# Altium PCB 2019.06.16.master.PcbDoc (part 3 of 5)
Units mm, origin at the board's own origin, x right, y up, seen from the top; angles counter-clockwise.
Board outline 160 x 120 mm, 6 copper layers (Top Signal, Top GND, Inner PWR, Inner Signal, Bottom GND, Bottom Signal), stack 1.571 mm thick; 340 components, 345 nets, 1524 pads, 692 vias.
Unrouted connection lines stored in the file: 216.
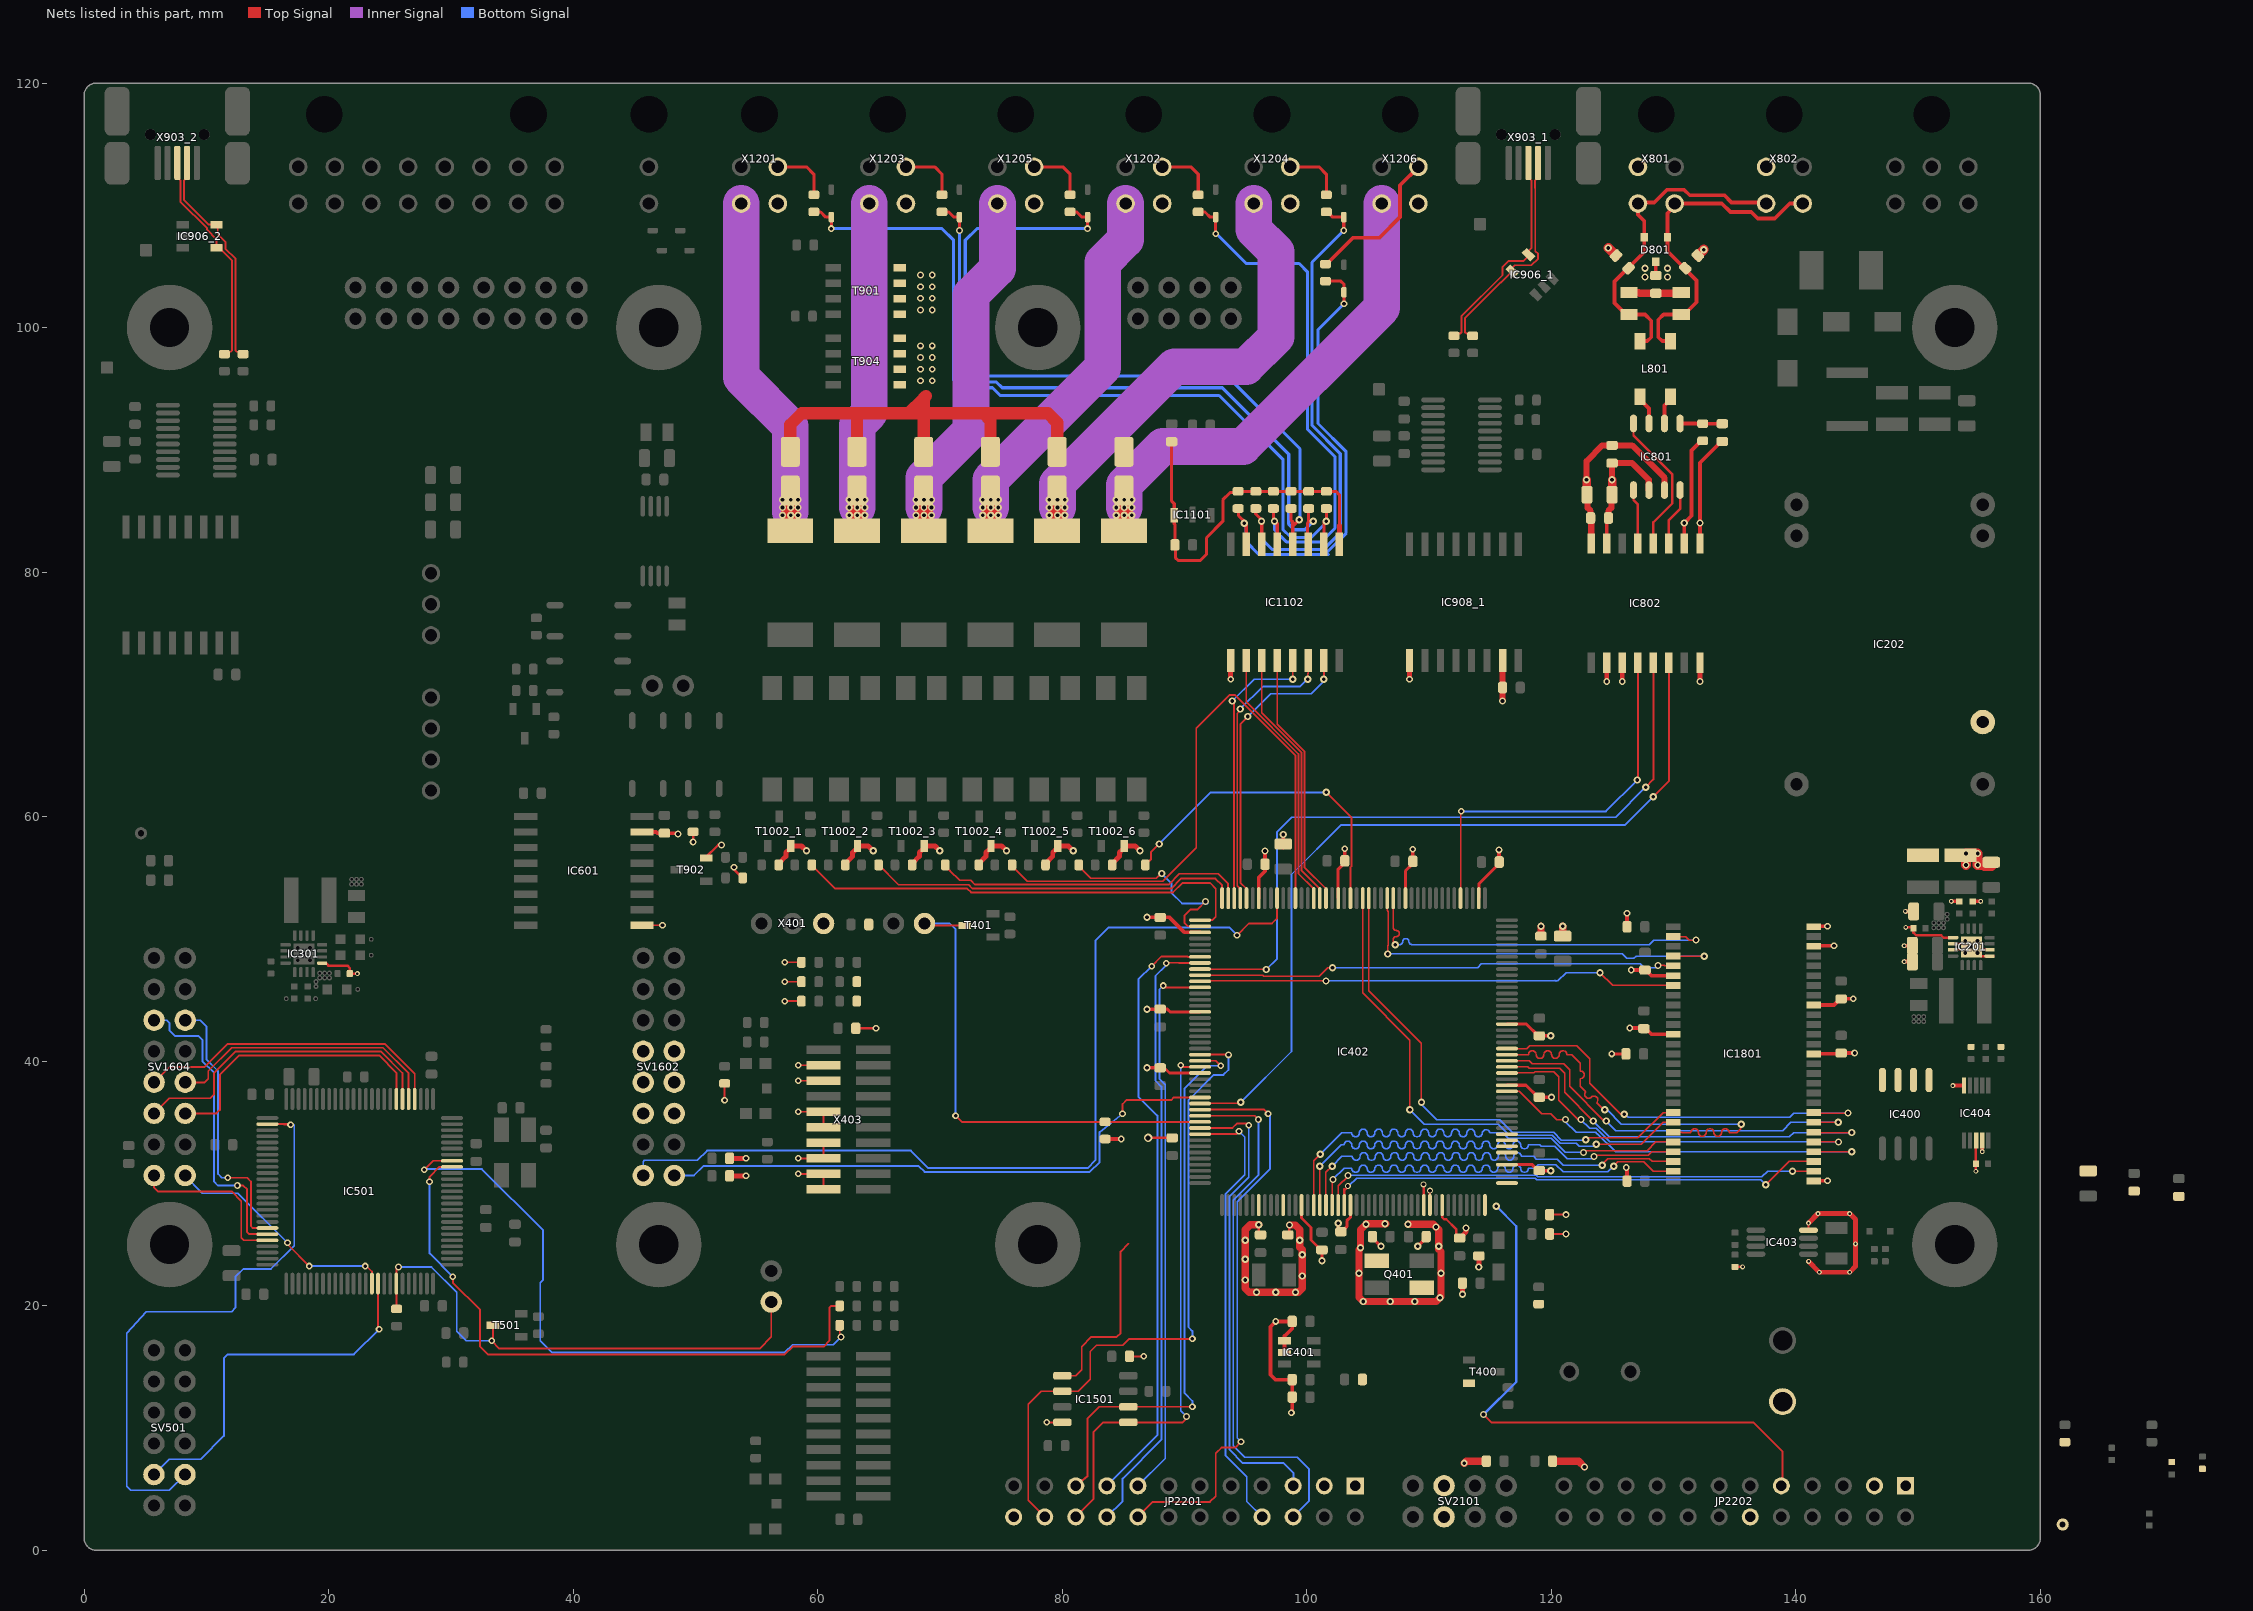
[diagram p7: the nets of this part, all layers, seen from the top]

## Via types
v1: diameter 0.6, hole 0.3, Top Signal to Bottom Signal, 370 vias
v2: diameter 0.55, hole 0.3, Top Signal to Bottom Signal, tented both sides, 291 vias
v3: diameter 0.4, hole 0.2, Top Signal to Bottom Signal, tented both sides, 17 vias
v4: diameter 0.5, hole 0.3, Top Signal to Bottom Signal, 12 vias
v5: diameter 0.7, hole 0.4, Top Signal to Bottom Signal, 2 vias

## Nets (pads, with @x,y where several pads share a name; then routed paths per layer and width w, separated by ;. In a path a pad name is that pad's centre, name@x,y a point inside that pad or via, vN(x,y) a via of type N, cw(c..) or ccw(c..) an arc to the next point about the centre after c; other vN are vias at no path point) (continued)
BMS-INTERFACE_0_GPIO_2: IC402.123 SV1602.2 | length 75.3
  Top Signal w0.152: v2(94.297,50.309) 95.25,51.261 97.155,51.261 97.573,51.679 IC402.123@97.573,53.534
  Bottom Signal w0.152: SV1602.2@45.73,30.65 45.73,31.794 45.83,31.894 50.165,31.894 50.959,32.688 67.627,32.688 69.056,31.259 82.074,31.259 82.709,31.894 82.709,49.833 83.817,50.94 93.666,50.94 v2(94.297,50.309)
BMS-INTERFACE_0_GPIO_3: IC402.162 SV1602.1 | length 47.6
  Top Signal w0.152: v2(84.931,35.704) 84.931,36.498 85.249,36.815 88.9,36.815 89.119,37.034 IC402.162@91.072,37.034
  Bottom Signal w0.152: SV1602.1@48.27,30.65 49.874,30.65 50.641,31.418 68.263,31.418 68.739,30.941 82.249,30.941 83.058,31.75 83.058,34.205 v2(84.931,35.704)
BMS-INTERFACE_0_SPI_CS: IC402.50 SV1602.8
BMS-INTERFACE_0_SPI_MISO: IC402.52 SV1602.6
BMS-INTERFACE_0_SPI_MOSI: IC402.53 SV1602.5
BMS-INTERFACE_0_SPI_SCK: IC402.51 SV1602.7
BMS-INTERFACE_1_GPIO_0: IC501.69 SV1604.11 | length 22.2
  Top Signal w0.152: v2(11.747,30.465) 13.335,30.465 13.652,30.148 13.652,26.496 13.795,26.354 IC501.69@14.792,26.354
  Bottom Signal w0.152: SV1604.11@8.27,43.35 9.499,43.35 10.001,42.848 10.001,40.149 10.954,39.196 10.954,30.783 11.271,30.465 v2(11.747,30.465)
BMS-INTERFACE_1_GPIO_1: IC501.70 SV1604.12 | length 24.9
  Top Signal w0.152: v2(12.541,29.83) 13.018,29.83 13.335,29.513 13.335,26.02 13.501,25.854 IC501.70@14.792,25.854
  Bottom Signal w0.152: SV1604.12@5.73,43.35 6.776,43.35 6.985,43.14 6.985,42.53 7.461,42.054 9.366,42.054 9.684,41.736 9.684,39.99 10.636,39.038 10.636,30.148 10.954,29.83 v2(12.541,29.83)
BMS-INTERFACE_1_GPIO_2: IC501.71 SV1604.2 | length 13.6
  Top Signal w0.152: SV1604.2@5.73,30.65 5.715,30.635 5.715,29.671 6.032,29.354 12.065,29.354 12.859,28.56 12.859,25.544 13.049,25.354 IC501.71@14.792,25.354
BMS-INTERFACE_1_GPIO_3: IC501.90 SV1604.1 | length 19.9
  Top Signal w0.152: v2(16.637,25.146) 16.637,25.019 v2(18.415,23.241) ; v2(22.987,23.241) 23.099,23.241 23.542,22.798 IC501.90@23.542,21.604
  Bottom Signal w0.152: SV1604.1@8.27,30.65 8.229,30.65 9.684,29.195 12.588,29.195 v2(16.637,25.146) ; v2(18.415,23.241) v2(22.987,23.241)
BMS-INTERFACE_1_SPI_CS: IC501.29 SV1604.8 | length 25.5
  Top Signal w0.152: SV1604.8@5.73,38.27 6.974,39.514 9.842,39.514 11.747,41.419 24.606,41.419 27.043,38.982 IC501.29@27.043,37.104
BMS-INTERFACE_1_SPI_MISO: IC501.31 SV1604.6 | length 26.1
  Top Signal w0.152: SV1604.6@5.73,35.73 6.974,36.974 10.319,36.974 10.636,37.291 10.636,39.038 12.383,40.784 24.289,40.784 26.043,39.03 IC501.31@26.043,37.104
BMS-INTERFACE_1_SPI_MOSI: IC501.32 SV1604.5 | length 23.4
  Top Signal w0.152: SV1604.5@8.27,35.73 10.821,35.73 11.112,36.021 11.112,38.879 12.7,40.466 24.13,40.466 25.542,39.054 IC501.32@25.542,37.104
BMS-INTERFACE_1_SPI_SCK: IC501.30 SV1604.7 | length 22.6
  Top Signal w0.152: SV1604.7@8.27,38.27 9.869,38.27 10.16,38.561 10.16,39.196 12.065,41.101 24.447,41.101 26.542,39.006 IC501.30@26.542,37.104
BOOT_0_MCU_0: IC402.166 R401.2 T401.3 X402.2 | length 41.7
  Top Signal w0.152: X402.2@68.739,51.261 68.739,51.103 T401.3@72.034,51.103 T401.3@72.084,51.103 ; v2(71.279,35.545) 71.79,35.034 R401.2@83.502,35.034 IC402.166@91.273,35.034
  Bottom Signal w0.152: X402.2@68.739,51.261 70.802,51.261 71.279,50.785 v2(71.279,35.545)
BOOT_0_MCU_1: IC501.94 R502.2 T501.3 X501.2 | length 43.2
  Top Signal w0.152: R502.2@25.559,19.735 25.559,20.187 25.542,20.203 IC501.94@25.542,21.804 25.542,22.988 v2(25.717,23.163) ; T501.3@33.457,18.4 33.457,17.25 v2(33.337,17.13) 33.972,16.495 55.245,16.495 56.197,17.448 X501.2@56.197,20.305
  Bottom Signal w0.152: v2(25.717,23.163) 28.416,23.163 30.48,21.099 30.48,17.924 31.274,17.13 v2(33.337,17.13)
CAN_0_H: C809.2 D801.2 L801.2 R802.2 X801.4 X802.4 | length 26.8
  Top Signal w0.305: L801.2@127.249,98.897 127.853,98.897 128.168,99.212 128.168,100.559 127.658,101.069 R802.2@126.365,101.069 126.115,101.069 125.171,102.013 125.171,103.759 127.599,106.187 D801.2@127.599,107.375 127.599,108.709 127.088,109.22 127.088,110.145 127.179,110.236 128.422,110.236 129.464,111.277 130.861,111.277 131.318,110.82 134.163,110.82 134.747,110.236 137.475,110.236 137.566,110.145
CAN_0_H_INT: IC801.7 L801.3 | length 2.5
  Top Signal w0.305: L801.3@127.249,94.347 127.249,94.122 127.991,93.38 IC801.7@127.991,92.158
CAN_0_ISO_RXD: IC801.4 IC802.11 | length 4.7
  Top Signal w0.2: IC802.11@129.616,82.343 129.616,84.256 130.531,85.171 IC801.4@130.531,86.708
CAN_0_ISO_STB: IC801.8 IC802.12 | length 11.8
  Top Signal w0.2: IC801.8@126.721,92.158 126.721,91.161 129.901,87.98 129.901,85.629 128.346,84.075 IC802.12@128.346,82.343
CAN_0_ISO_TXD: IC801.1 IC802.13 | length 4.5
  Top Signal w0.2: IC801.1@126.721,86.708 126.721,85.882 127.076,85.526 IC802.13@127.076,82.343
CAN_0_L: C810.1 D801.1 L801.1 R801.1 X801.3 X802.3 | length 27.1
  Top Signal w0.305: L801.1@129.749,98.897 129.068,98.897 128.753,99.212 128.753,100.635 129.187,101.069 R801.1@130.632,101.069 130.882,101.069 131.877,102.064 131.877,103.861 129.499,106.238 D801.1@129.499,107.375 129.499,109.357 130.087,109.944 130.087,110.145 133.949,110.145 134.645,109.449 136.347,109.449 136.881,108.915 138.278,108.915 139.507,110.145 140.564,110.145
CAN_0_L_INT: IC801.6 L801.4 | length 2.4
  Top Signal w0.305: IC801.6@129.261,92.158 129.261,93.634 129.749,94.122 L801.4@129.749,94.347
CAN_0_MCU_1_RX: IC501.91 SV501.4 | length 30.6
  Top Signal w0.152: IC501.91@24.043,21.604 24.043,18.17 v2(24.13,18.083)
  Bottom Signal w0.152: SV501.4@5.715,6.19 6.971,7.446 9.525,7.446 11.43,9.351 11.43,15.701 11.747,16.019 22.066,16.019 v2(24.13,18.083)
CAN_0_MCU_1_TX: IC501.52 SV501.3 | length 49.1
  Top Signal w0.152: IC501.52@14.792,34.854 16.295,34.854 ; 16.295,34.854 16.835,34.854 v2(16.891,34.798) 16.351,34.798 16.295,34.854
  Bottom Signal w0.152: SV501.3@8.255,6.19 8.255,6.176 6.985,4.906 3.81,4.906 3.492,5.224 3.492,17.765 5.08,19.511 12.065,19.511 12.383,19.829 12.383,22.369 13.018,23.004 15.279,23.004 17.191,24.916 17.191,34.752 17.145,34.798 v2(16.891,34.798)
CAN_0_RX: IC402.163 IC802.6 | length 67.6
  Top Signal w0.152: IC402.163@91.072,36.534 91.101,36.562 94.575,36.562 v1@94.604,36.534 ; v1(128.346,61.637) 129.616,62.907 IC802.6@129.616,72.593
  Bottom Signal w0.152: v1(94.604,36.645) 98.75,40.792 98.75,55.268 102.812,59.33 126.039,59.33 v1@128.333,61.624
CAN_0_SPLIT: C804.2 R801.2 R802.1 | length 4.3
  Top Signal w0.6: R802.1@126.365,102.869 127.167,102.869 127.231,102.805 C804.2@128.549,102.805 130.568,102.805 R801.2@130.632,102.869
CAN_0_TRANS_STANDBY_CONTROL: IC402.141 IC802.5 | length 59.3
  Top Signal w0.152: IC402.141@91.072,47.534 91.09,47.516 96.68,47.516 v1@96.698,47.534 ; v1(127.711,62.408) 128.346,63.043 IC802.5@128.346,72.593
  Bottom Signal w0.152: v1(96.698,47.498) 97.569,48.369 97.569,58.748 98.775,59.953 125.257,59.953 127.65,62.347 v1@127.65,62.367
CAN_0_TX: IC402.93 IC802.4 | length 32
  Top Signal w0.152: IC402.93@112.573,53.534 112.599,53.561 112.599,60.405 v2(112.626,60.432) ; v1(127.025,62.992) 127.076,63.043 IC802.4@127.076,72.593
  Bottom Signal w0.152: v2(112.626,60.432) 124.465,60.432 v1(127.025,62.992)
CAN_0_VIO: C807.2 IC801.5 R804.2 | length 3.6
  Top Signal w0.305: IC801.5@130.531,92.158 131.815,92.158 131.833,92.14 R804.2@132.385,92.14 ; R804.2@132.476,92.049 R804.2@132.385,92.14 ; C807.2@133.985,92.14 133.408,92.14 R804.2@132.385,92.14
CAN_1_RX: IC402.167 JP2201.5 | length 38.6
  Top Signal w0.152: IC402.167@91.072,34.534 93.921,34.534 94.297,34.91 95.091,34.91 v2(95.25,34.751)
  Bottom Signal w0.152: v2(95.25,34.751) 95.25,30.512 93.686,28.948 93.686,8.216 94.774,7.129 98.108,7.129 98.901,6.335 98.901,5.281 JP2201.5@98.89,5.27
CAN_1_TRANS_STANDBY_CONTROL: IC402.165 JP2201.6 | length 44
  Top Signal w0.152: IC402.165@91.072,35.534 95.737,35.534 v2(96.044,35.228)
  Bottom Signal w0.152: v2(96.044,35.228) 96.044,30.67 93.989,28.616 93.989,8.549 94.932,7.605 99.219,7.605 100.171,6.653 100.171,4.011 JP2201.6@98.89,2.73
CAN_1_TX: IC402.168 JP2201.8 | length 37.1
  Top Signal w0.152: IC402.168@91.072,34.034 94.215,34.034 v2(94.456,34.275)
  Bottom Signal w0.152: v2(94.456,34.275) 94.932,33.799 94.932,30.696 93.345,29.108 93.345,7.764 95.091,6.018 95.091,3.989 JP2201.8@96.35,2.73
CAN_GND: C801.1 C802.1 C803.2 C804.1 C807.1 C809.1 C810.2 D801.3 IC801.2 IC802.9 IC802.15 X801.1 X802.1 | length 23.4
  Top Signal w0.305: IC802.15@124.536,82.343 124.536,84.017 124.626,84.107 124.626,84.684 124.669,84.727 C801.1@124.714,84.772 ; C804.1@128.549,104.255 D801.3@128.549,105.375 ; IC802.9@132.156,82.343 v1(132.156,84.017) 132.156,88.942 133.904,90.69 C807.1@133.985,90.69
  Top Signal w0.5: C801.1@124.669,84.425 124.669,84.727 124.669,85.002 124.92,85.252 124.92,86.283 C803.2@124.969,86.333 ; v1(124.969,87.554) C802.1@124.969,88.912 126.614,88.912 127.971,87.554 127.971,86.728 IC801.2@127.991,86.708
  Top Signal w0.7: C803.2@124.969,86.333 v1(124.969,87.554)
  Top Signal w0.8: v1(124.67,106.511) C809.1@125.294,105.888 ; C810.2@131.983,105.888 131.989,105.888 v1(132.476,106.375)
  other v1: 127.658,104.14 129.499,104.14 127.658,104.863 129.499,104.863
CAN_GND_INT: BT400.2 C205.2 C206.2 C207.1 C208.2 C210.2 C211.2 C213.2 C214.1 C400.2 C401.2 C402.1 C403.2 C404.2 C405.2 C406.2 C407.2 C408.2 C409.2 C410.2 C411.2 C412.2 C413.2 C414.2 C415.2 C416.2 C417.2 C418.2 C419.2 C420.2 C421.2 C422.2 C423.2 C424.2 C425.2 C426.2 C427.2 C428.1 C429.2 C430.2 C431.2 C432.2 C433.1 C434.1 C601.1 C805.1 C806.1 C808.2 C907_1.2 C1106.2 C1501.1 C1601.2 C1602.2 C1801.2 C1802.2 C1803.2 C1804.2 C1805.2 C1806.2 C1807.2 C2101.1 C2102.2 IC201.5 IC201.6 IC201.14 IC201.15 IC201.PAD IC202.16 IC400.1 IC400.2 IC400.3 IC400.4 IC401.1 IC401.2 IC402.14 IC402.22 IC402.37 IC402.48 IC402.61 IC402.71 IC402.90 IC402.102 IC402.113 IC402.126 IC402.135 IC402.148 IC402.158 IC403.4 IC404.5 IC404.8 IC404.9 IC601.9 IC601.15 IC802.2 IC802.3 IC802.8 IC908_1.9 IC908_1.15 IC1102.9 IC1501.4 IC1801.6 IC1801.12 IC1801.28 IC1801.41 IC1801.46 IC1801.52 IC1801.54 JP2201.1 JP2201.3 JP2202.1 JP2202.3 pad.DC@148.856,48.147 pad.DC@148.856,49.447 pad.DC@148.965,52.247 pad.DC@152.72,53.073 pad.DC@152.846,38.009 pad.DC@155.12,53.073 pad.DC@155.246,32.609 Q401.2 Q401.4 R201.1 R401.1 R406.1 R407.1 R408.1 R409.1 R412.1 R418.1 R903.1 R908.2 R1003_1.1 R1003_2.1 R1003_3.1 R1003_4.1 R1003_5.1 R1003_6.1 SV1602.9 SV1602.10 SV2101.5 SV2101.6 T400.S T902.S T1002_1.S T1002_2.S T1002_3.S T1002_4.S T1002_5.S T1002_6.S TP_GND_201.1 X401.1 X403.3 X403.5 X403.9 X403.11 X403.13 X403.15 X403.17 X403.19 | length 246.1
  Top Signal w0.152: IC601.9@45.406,51.122 IC601.9@45.628,51.122 v2(47.307,51.122) ; v2(52.387,36.815) R406.1@52.387,38.029 ; v2(57.309,44.911) R409.1@58.523,44.911 ; v2(57.309,46.499) R408.1@58.523,46.499 ; v2(57.309,48.086) R201.1@58.523,48.086 ; v2(58.42,30.783) X403.17@60.465,30.783 X403.19@60.465,29.513 ; v2(58.42,32.053) X403.15@60.465,32.053 X403.13@60.465,33.323 ; v2(58.42,35.863) X403.9@60.465,35.863 X403.11@60.465,34.593 ; v2(58.42,38.403) X403.5@60.465,38.403 ; v2(58.42,39.673) X403.3@60.465,39.673 ; v2(78.74,10.463) IC1501.4@79.969,10.463 ; C1501.1@85.473,15.86 C1501.1@85.498,15.86 v2(86.677,15.86) ; C423.2@119.987,25.865 v2(121.201,25.865) ; C424.2@119.987,27.453 v2(121.201,27.453)
  Top Signal w0.2: C428.1@96.063,25.795 96.073,25.805 v1(96.073,26.61) ; C429.2@98.582,25.8 v1(98.582,26.605) ; IC402.37@111.073,28.234 111.073,27.232 111.231,27.074 111.413,27.074 112.214,26.273 112.214,25.532 C401.2@112.499,25.532 ; C431.2@135.024,23.181 v3(135.647,23.181) ; IC403.4@141.034,26.177 v3(141.034,26.76) ; IC201.15@152.881,49.097 IC201.PAD@154.106,49.097 ; IC201.14@152.881,49.597 IC201.PAD@153.606,49.597 ; IC201.PAD@154.606,49.097 IC201.6@155.831,49.097 ; C400.2@154.729,31.618 IC404.8@154.729,33.493 ; v3(154.731,30.998) C400.2@154.731,31.616 ; IC201.PAD@155.136,48.597 IC201.5@155.831,48.597 IC201.5@156.146,48.597
  Top Signal w0.203: v2(49.809,57.929) R903.1@49.809,58.612 ; T902.S@50.792,56.612 51.864,57.683 v2(52.135,57.683) ; v2(53.162,55.855) 53.162,55.691 R908.2@53.862,54.991 ; C430.2@63.239,42.689 v2(64.77,42.689) ; v5@87.21,33.799 87.279,33.73 C407.2@88.99,33.73
  Top Signal w0.25: C420.2@88.011,44.259 88.588,44.259 88.813,44.034 IC402.148@91.273,44.034 ; C421.2@88.207,39.604 88.777,39.034 IC402.158@91.273,39.034 ; IC402.14@99.573,28.234 99.573,27.18 100.352,26.4 100.352,25.378 101.17,24.56 C409.2@101.244,24.56 v1(101.244,23.681) ; v1(102.573,26.741) 102.573,26.605 102.576,26.602 102.576,26.267 C410.2@102.794,26.049 102.86,26.049 103.278,26.467 103.278,26.938 103.573,27.232 IC402.22@103.573,28.234 ; IC402.113@102.573,53.334 102.573,55.71 103.015,56.152 103.015,56.291 103.099,56.374 C417.2@103.112,56.388 ; C402.1@105.371,25.654 105.371,25.554 106.058,24.867 v1(106.07,24.867) ; IC402.102@108.072,53.334 108.072,55.571 108.578,56.076 108.578,56.244 108.661,56.327 C416.2@108.675,56.341 ; v1@109.072,24.867 109.08,24.867 109.767,25.554 C414.2@109.767,25.654 ; IC402.90@114.073,53.334 114.082,53.343 114.082,54.518 115.531,55.967 115.531,56.077 115.729,56.274 C415.2@115.743,56.288 ; IC402.48@116.372,31.534 118.441,31.534 118.924,31.05 C405.2@119.024,31.05 ; IC402.61@116.372,38.034 117.935,38.034 118.924,37.045 C412.2@119.024,37.045 ; IC402.71@116.372,43.034 117.961,43.034 118.924,42.071 C413.2@119.024,42.071 ; v2(124.943,40.596) C1803.2@126.101,40.596
  Top Signal w0.3: v1(86.93,39.46) C421.2@88.011,39.46 ; v1(86.93,44.259) C420.2@88.011,44.259 ; v1(86.93,51.759) C419.2@88.011,51.759 88.783,51.759 90.008,50.534 IC402.135@91.273,50.534 ; IC402.126@96.073,53.334 96.073,55.02 96.585,55.532 C418.2@96.585,56.109 v1(96.585,57.189) ; C426.2@98.072,57.459 C426.2@98.072,57.759 v1(98.072,58.54) ; C417.2@103.099,56.374 v2(103.099,57.381) ; C416.2@108.661,56.327 v2(108.661,57.334) ; C415.2@115.729,56.219 115.729,56.274 v2(115.729,57.281) ; C405.2@119.024,31.05 v1(119.967,31.05) ; C412.2@119.024,37.045 v1(120.017,37.045) ; C413.2@119.024,42.071 v1(119.967,42.071) ; C1805.2@126.195,50.996 v2(126.195,52.107) ; v2(126.409,42.713) C1802.2@127.575,42.713 ; v2(126.549,47.459) C1801.2@127.66,47.459 ; 126.92,47.449 127.742,47.449 128.196,46.996 IC1801.6@129.966,46.996 ; C1802.2@127.337,42.649 127.742,42.649 128.196,42.196 IC1801.12@129.966,42.196 ; IC1801.41@141.466,40.596 143.642,40.596 C1806.2@143.711,40.664 v2(144.805,40.664) ; IC1801.46@141.466,44.596 143.127,44.596 143.642,45.11 v2(144.704,45.11) ; IC1801.28@141.501,30.23 v2(142.595,30.23) ; IC1801.52@141.501,49.43 141.517,49.447 v2(143.127,49.447) ; IC1801.54@141.501,51.03 v2(142.595,51.03) ; pad.DC@148.856,48.147 C205.2@149.756,48.147 ; pad.DC@148.856,49.447 C206.2@149.756,49.447 ; pad.DC@148.965,52.247 C210.2@149.865,52.247 ; pad.DC@152.72,53.073 C213.2@153.37,53.073 ; pad.DC@152.846,38.009 IC404.5@153.746,38.009 ; C211.2@154.47,53.073 pad.DC@155.12,53.073 ; pad.DC@155.246,32.609 IC404.9@155.246,33.509
  Top Signal w0.305: IC601.15@45.453,58.742 IC601.15@45.628,58.742 46.8,58.742 46.89,58.652 C601.1@47.466,58.652 48.509,58.652 v2(48.578,58.583) ; R401.1@83.502,33.634 v2(84.836,33.634) ; IC401.2@98.178,16.178 IC401.1@98.178,17.128 98.178,17.529 98.199,17.529 98.811,18.141 C422.2@98.811,18.718 v2(97.472,18.718) 97.028,18.273 97.028,14.351 97.424,13.955 C408.2@98.811,13.955 C403.2@98.811,12.526 98.811,11.325 v2(98.742,11.256) ; C417.2@103.112,56.288 C417.2@103.112,56.388 ; v2(126.126,31.307) 126.195,31.238 C1804.2@126.195,30.196
  Top Signal w0.4: R1003_1.1@56.809,56.058 56.809,56.158 57.401,56.75 57.401,57.067 57.635,57.301 57.703,57.301 57.803,57.401 T1002_1.S@57.803,57.601 58.68,57.601 v1(59.08,57.201) ; R1003_2.1@62.265,56.058 62.265,56.158 62.857,56.75 62.857,57.067 63.091,57.301 63.159,57.301 63.259,57.401 T1002_2.S@63.259,57.601 64.136,57.601 v1(64.537,57.201) ; R1003_3.1@67.721,56.058 67.721,56.158 68.313,56.75 68.313,57.067 68.548,57.301 68.615,57.301 68.715,57.401 T1002_3.S@68.715,57.601 69.593,57.601 v1(69.993,57.201) ; R1003_4.1@73.177,56.058 73.177,56.158 73.77,56.75 73.77,57.067 74.004,57.301 74.071,57.301 74.171,57.401 T1002_4.S@74.171,57.601 75.049,57.601 v1(75.449,57.201) ; R1003_5.1@78.633,56.058 78.633,56.158 79.226,56.75 79.226,57.067 79.46,57.301 79.527,57.301 79.627,57.401 T1002_5.S@79.627,57.601 80.505,57.601 v1(80.905,57.201) ; R1003_6.1@84.089,56.058 84.089,56.158 84.682,56.75 84.682,57.067 84.916,57.301 84.983,57.301 85.083,57.401 T1002_6.S@85.083,57.601 85.961,57.601 v1(86.361,57.201) ; v2(93.777,71.234) IC1102.9@93.777,72.769 ; v2(108.396,71.234) IC908_1.9@108.396,72.769 ; C401.2@112.499,25.532 113.03,26.063 v1(113.03,26.362) ; v1(112.731,20.929) 112.731,20.937 112.756,20.963 112.731,20.988 C404.2@112.731,21.844 ; v1@114.073,23.223 C411.2@114.073,24.08 ; v2(124.536,71.059) IC802.2@124.536,72.593 ; v2(125.806,71.059) IC802.3@125.806,72.593 ; v2(132.156,71.059) IC802.8@132.156,72.593 ; v3(141.034,26.76) v3(141.814,27.54) v3(144.4,27.54) 144.88,27.06 v3(144.88,25.06) 144.88,23.22 v3(144.4,22.74) v3(141.92,22.74) v3(141.04,23.62)
  Top Signal w0.406: C1602.2@52.92,30.624 v2(54.134,30.624) ; C1601.2@52.92,32.053 v2(54.134,32.053)
  Top Signal w0.5: v1(116.013,69.457) C907_1.2@116.013,70.561 116.013,71.714 116.016,71.717 IC908_1.15@116.016,72.769
  Top Signal w0.6: v1(96.073,26.61) 95.375,26.61 94.971,26.206 v1(94.971,25.354) v1(94.971,23.809) v1(94.971,22.098) 94.971,21.412 95.275,21.107 v1(95.885,21.107) v1(97.472,21.107) v1(99.072,21.107) 99.314,21.107 99.619,21.412 v1(99.619,22.434) v1(99.619,24.155) 99.619,24.601 99.428,24.792 v1(99.428,25.354) 99.428,26.238 99.061,26.605 v1(98.582,26.605) ; v1@106.486,26.695 v1(106.401,26.695) 104.878,26.695 v1(104.84,26.658) 104.4,26.217 104.4,24.728 104.269,24.598 104.269,20.694 v1(104.618,20.345) 104.902,20.345 110.599,20.345 110.649,20.395 110.973,20.719 110.973,20.803 110.973,24.433 110.795,24.61 110.795,26.213 110.349,26.659 v1(108.285,26.659) ; C406.2@119.151,50.23 v1(119.151,51.034) ; C427.2@120.929,50.225 v1(120.929,51.034)
  Top Signal w0.61: v2(112.871,7.129) 113.03,7.288 C2102.2@114.561,7.288 ; C2101.1@120.23,7.288 122.237,7.288 v2(122.714,6.811)
  Top Signal w0.813: v2(153.922,56.039) v2(153.922,56.991) v2(154.875,56.991) v2(154.875,56.039) 155.34,56.039 155.409,55.97 C208.2@155.986,55.97
  other v1: 106.821,20.345 108.839,20.345 110.897,20.644 104.269,22.646 110.973,22.646 114.073,23.164 104.4,24.75 109.076,24.867 110.795,24.867 110.572,26.436
  other v5: 87.029,33.73
CAN_VCC: C801.2 C802.2 C803.1 IC801.3 IC802.10 IC802.16 R804.1 | length 25.3
  Top Signal w0.3: C801.2@123.176,84.684 123.176,84.107 C801.2@123.266,84.017 ; IC802.10@130.886,82.343 v1(130.886,84.017) 131.47,84.601 131.47,89.941 132.128,90.599 132.244,90.599 R804.1@132.385,90.74
  Top Signal w0.5: C803.1@122.902,86.35 C803.1@122.919,86.333 122.969,86.283 122.969,85.252 123.219,85.002 C801.2@123.219,84.425 ; v1@122.902,87.537 v1(122.885,87.554) 122.885,89.078 124.169,90.362 C802.2@124.969,90.362 126.609,90.362 129.261,87.71 IC801.3@129.261,86.708 ; IC802.16@123.266,82.343 C801.2@123.266,84.017
  Top Signal w0.7: C803.1@122.902,86.35 v1@122.902,87.537
CONTACTOR_0_COIL_POS: D1001_1.1 F1001_1.2 X1201.3 | length 29.9
  Top Signal w1.5: F1001_1.2@57.76,83.371 57.76,84.658 D1001_1.1@57.76,86.333
  Inner Signal w3: X1201.3@53.746,110.145 53.746,95.936 57.76,91.923 57.76,85.925 v1@57.76,84.912